# Altium PCB CarrierPCBDesign.PcbDoc
Units mm, origin at the board's own origin, x right, y up, seen from the top; angles counter-clockwise.
Board outline 100 x 100 mm, 4 copper layers (L1 (Sig), L2 (GND), L3 (GND), L4 (Sig)), stack 1.564 mm thick; 76 components, 192 nets, 527 pads, 244 vias.
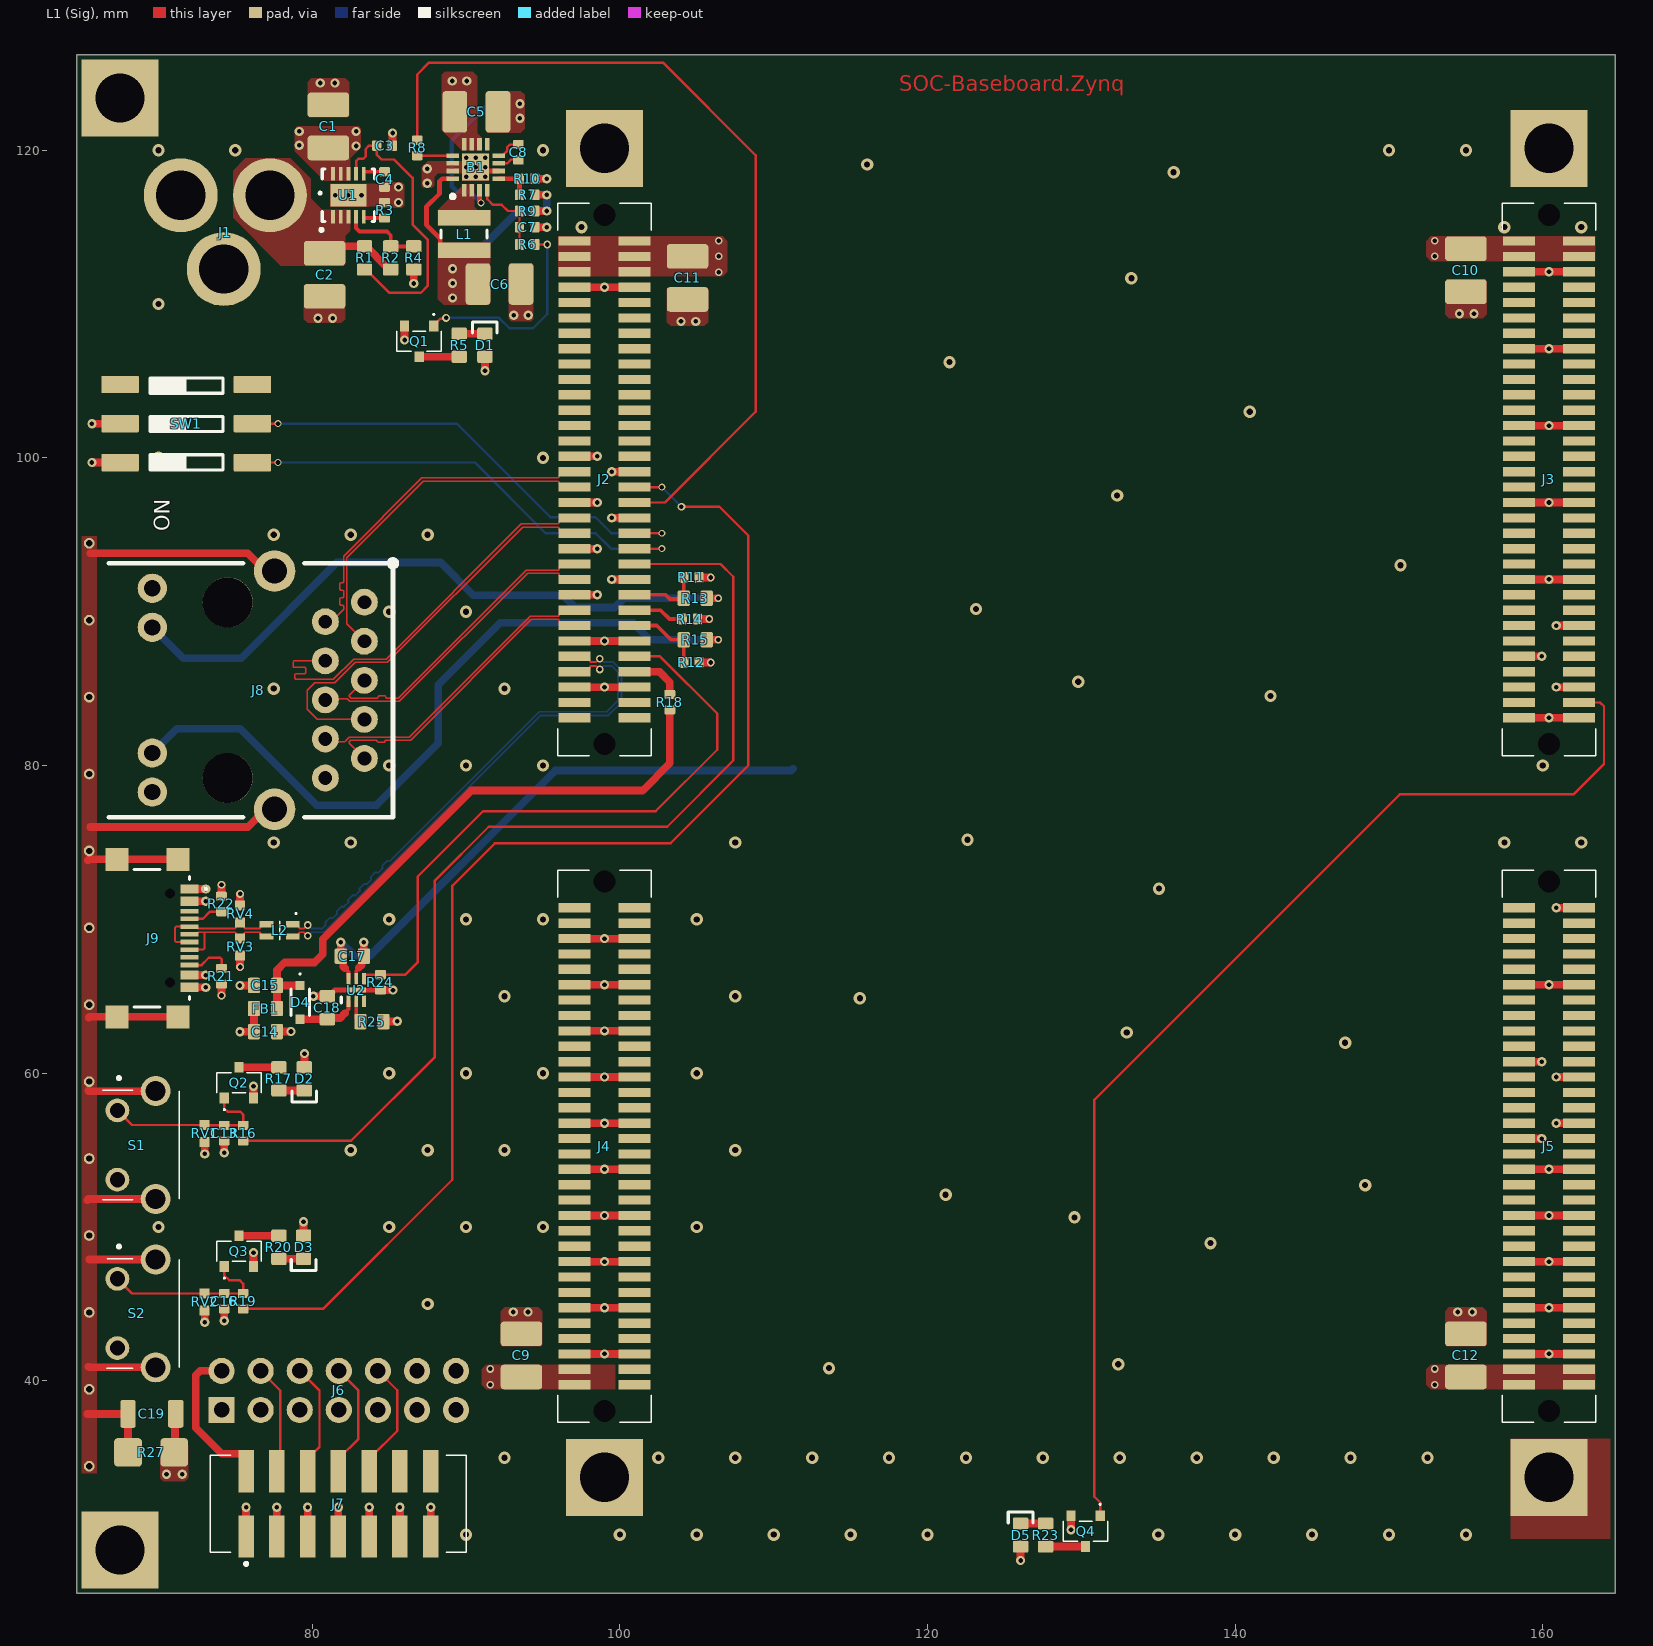
[diagram p0: L1 (Sig) view]
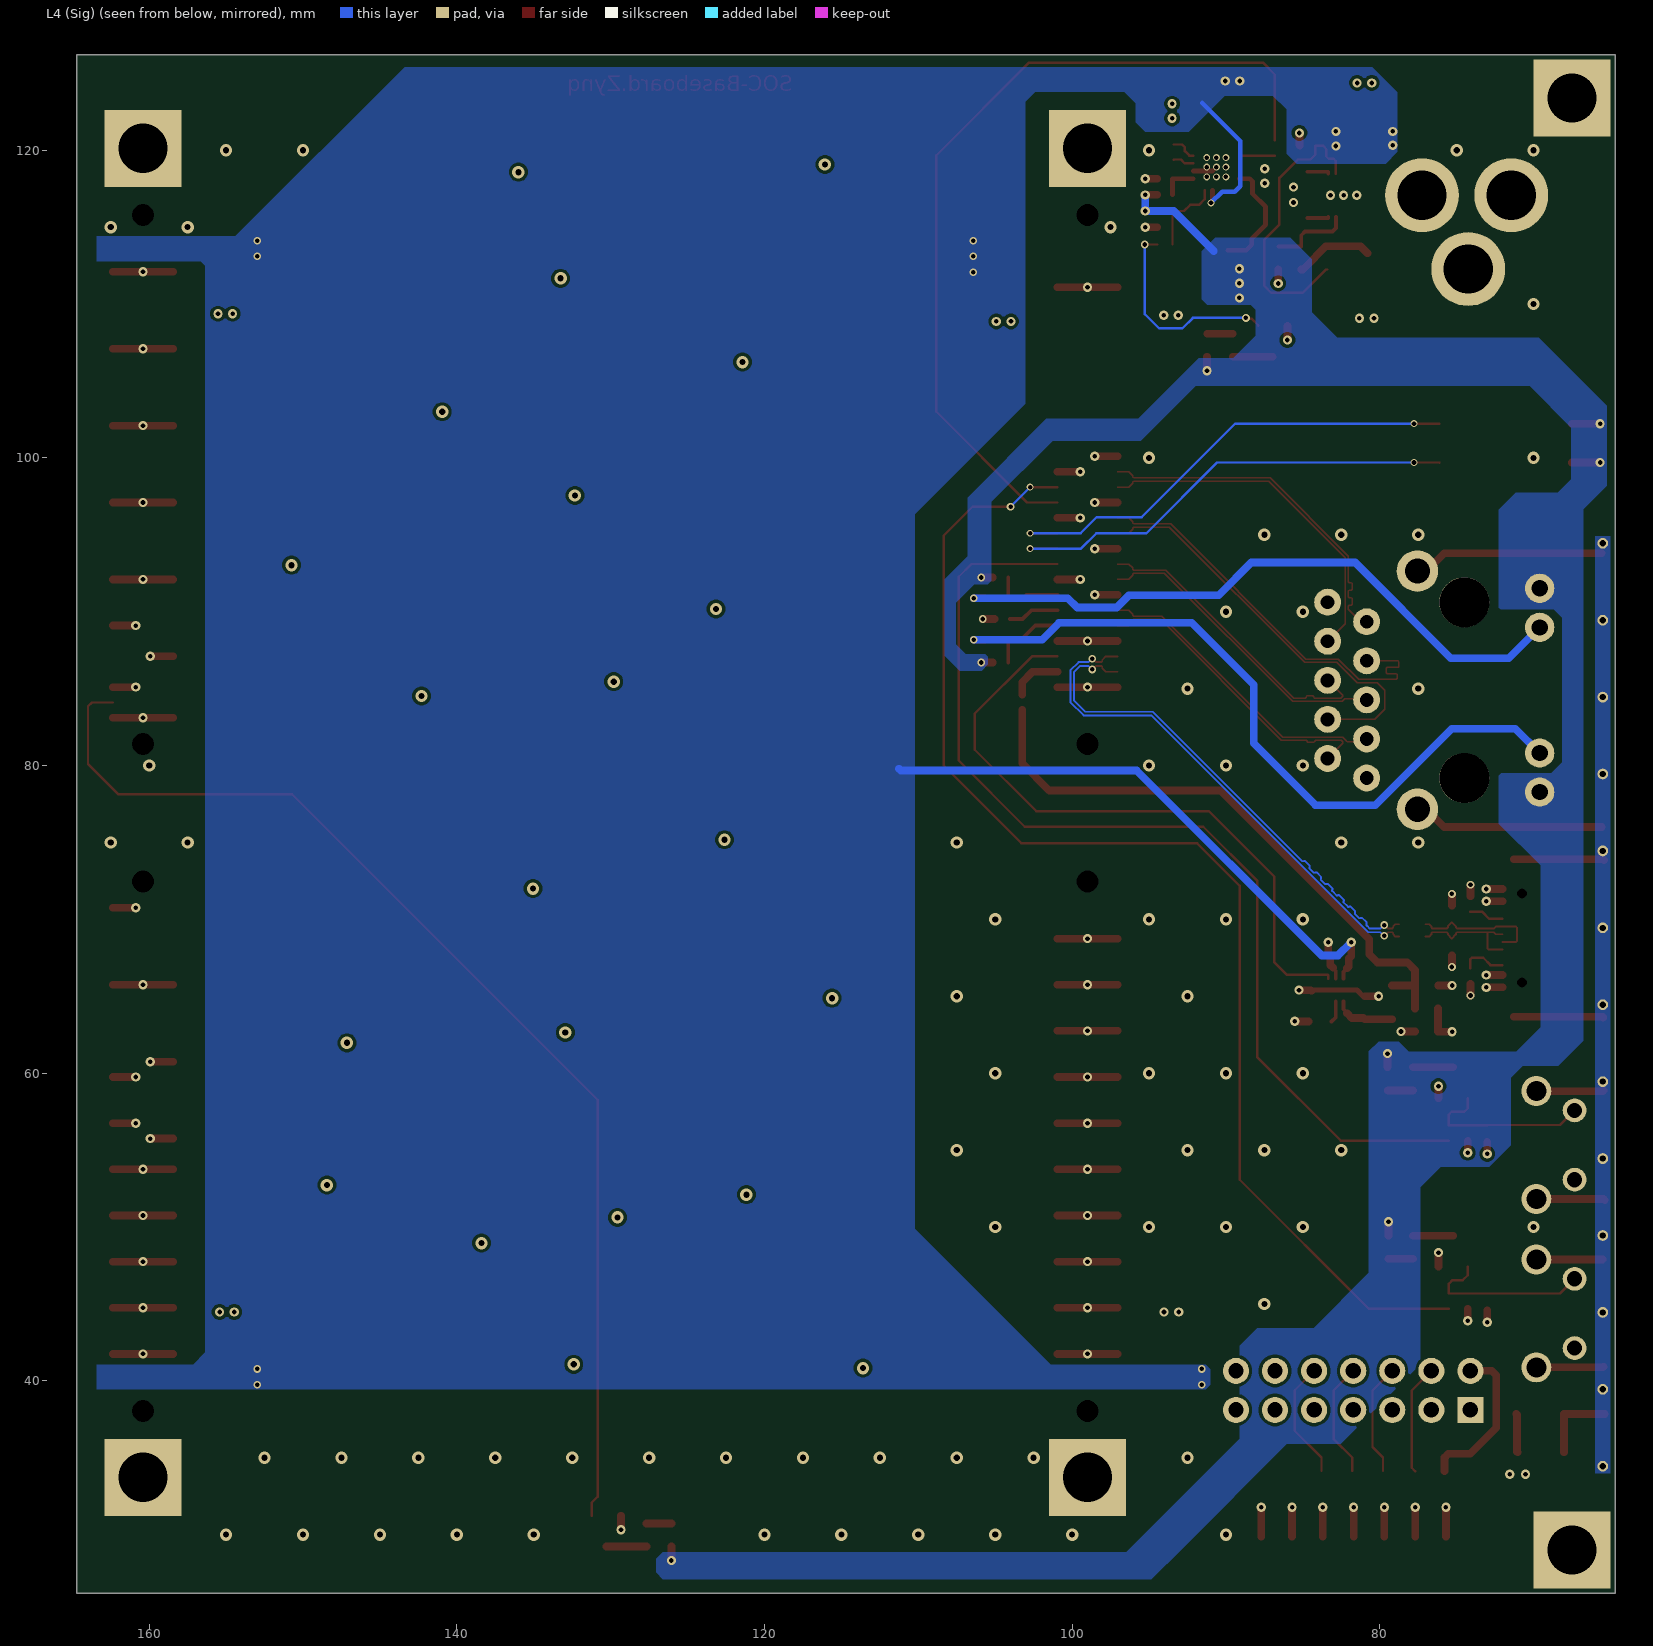
[diagram p1: L4 (Sig) view, seen from below]
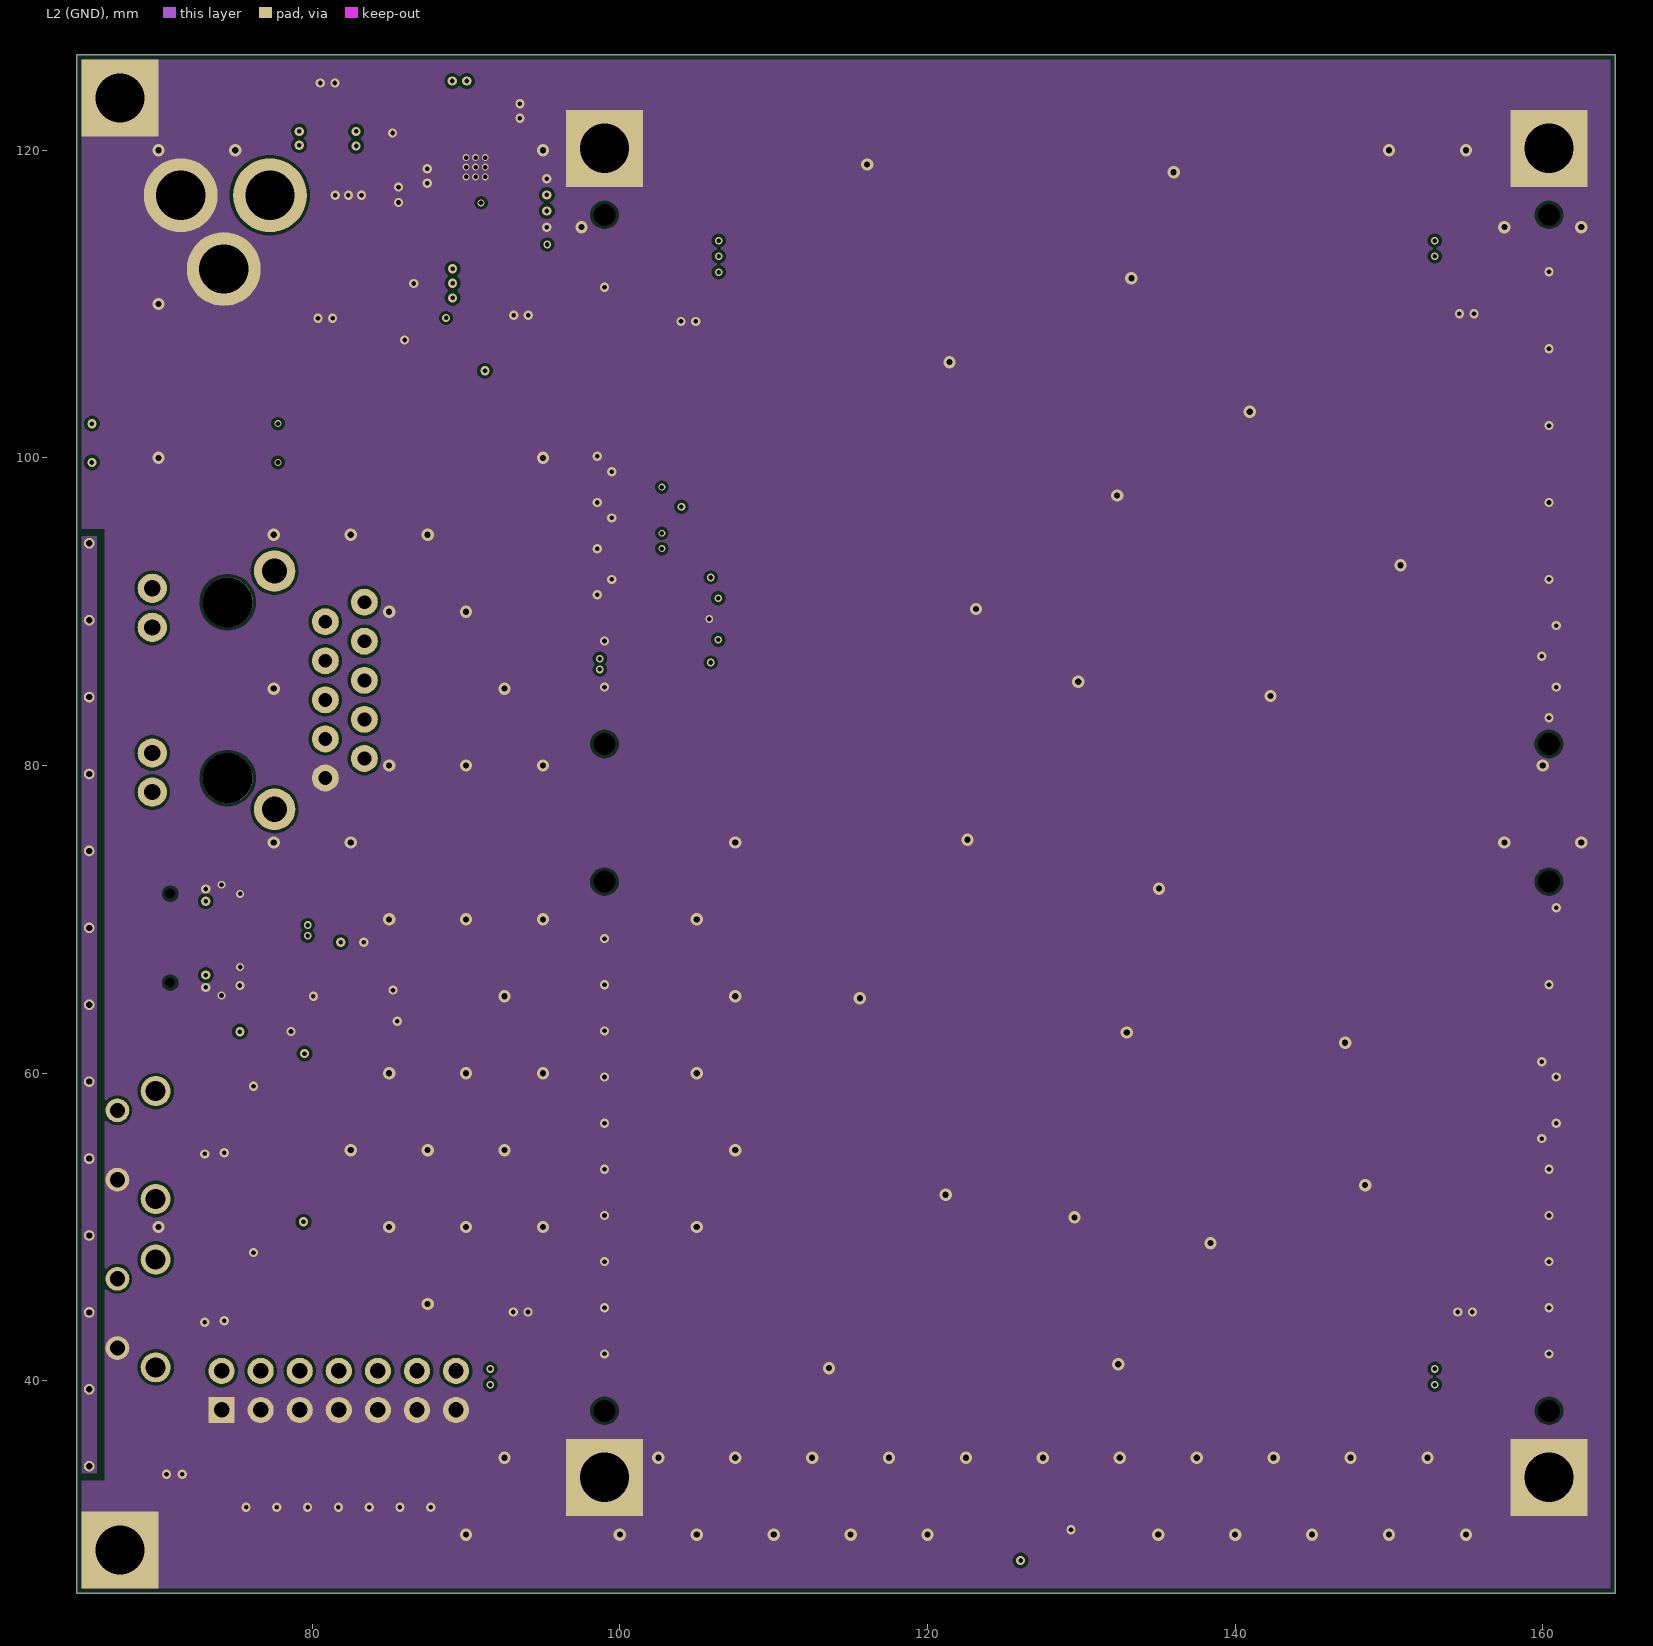
[diagram p2: L2 (GND)]
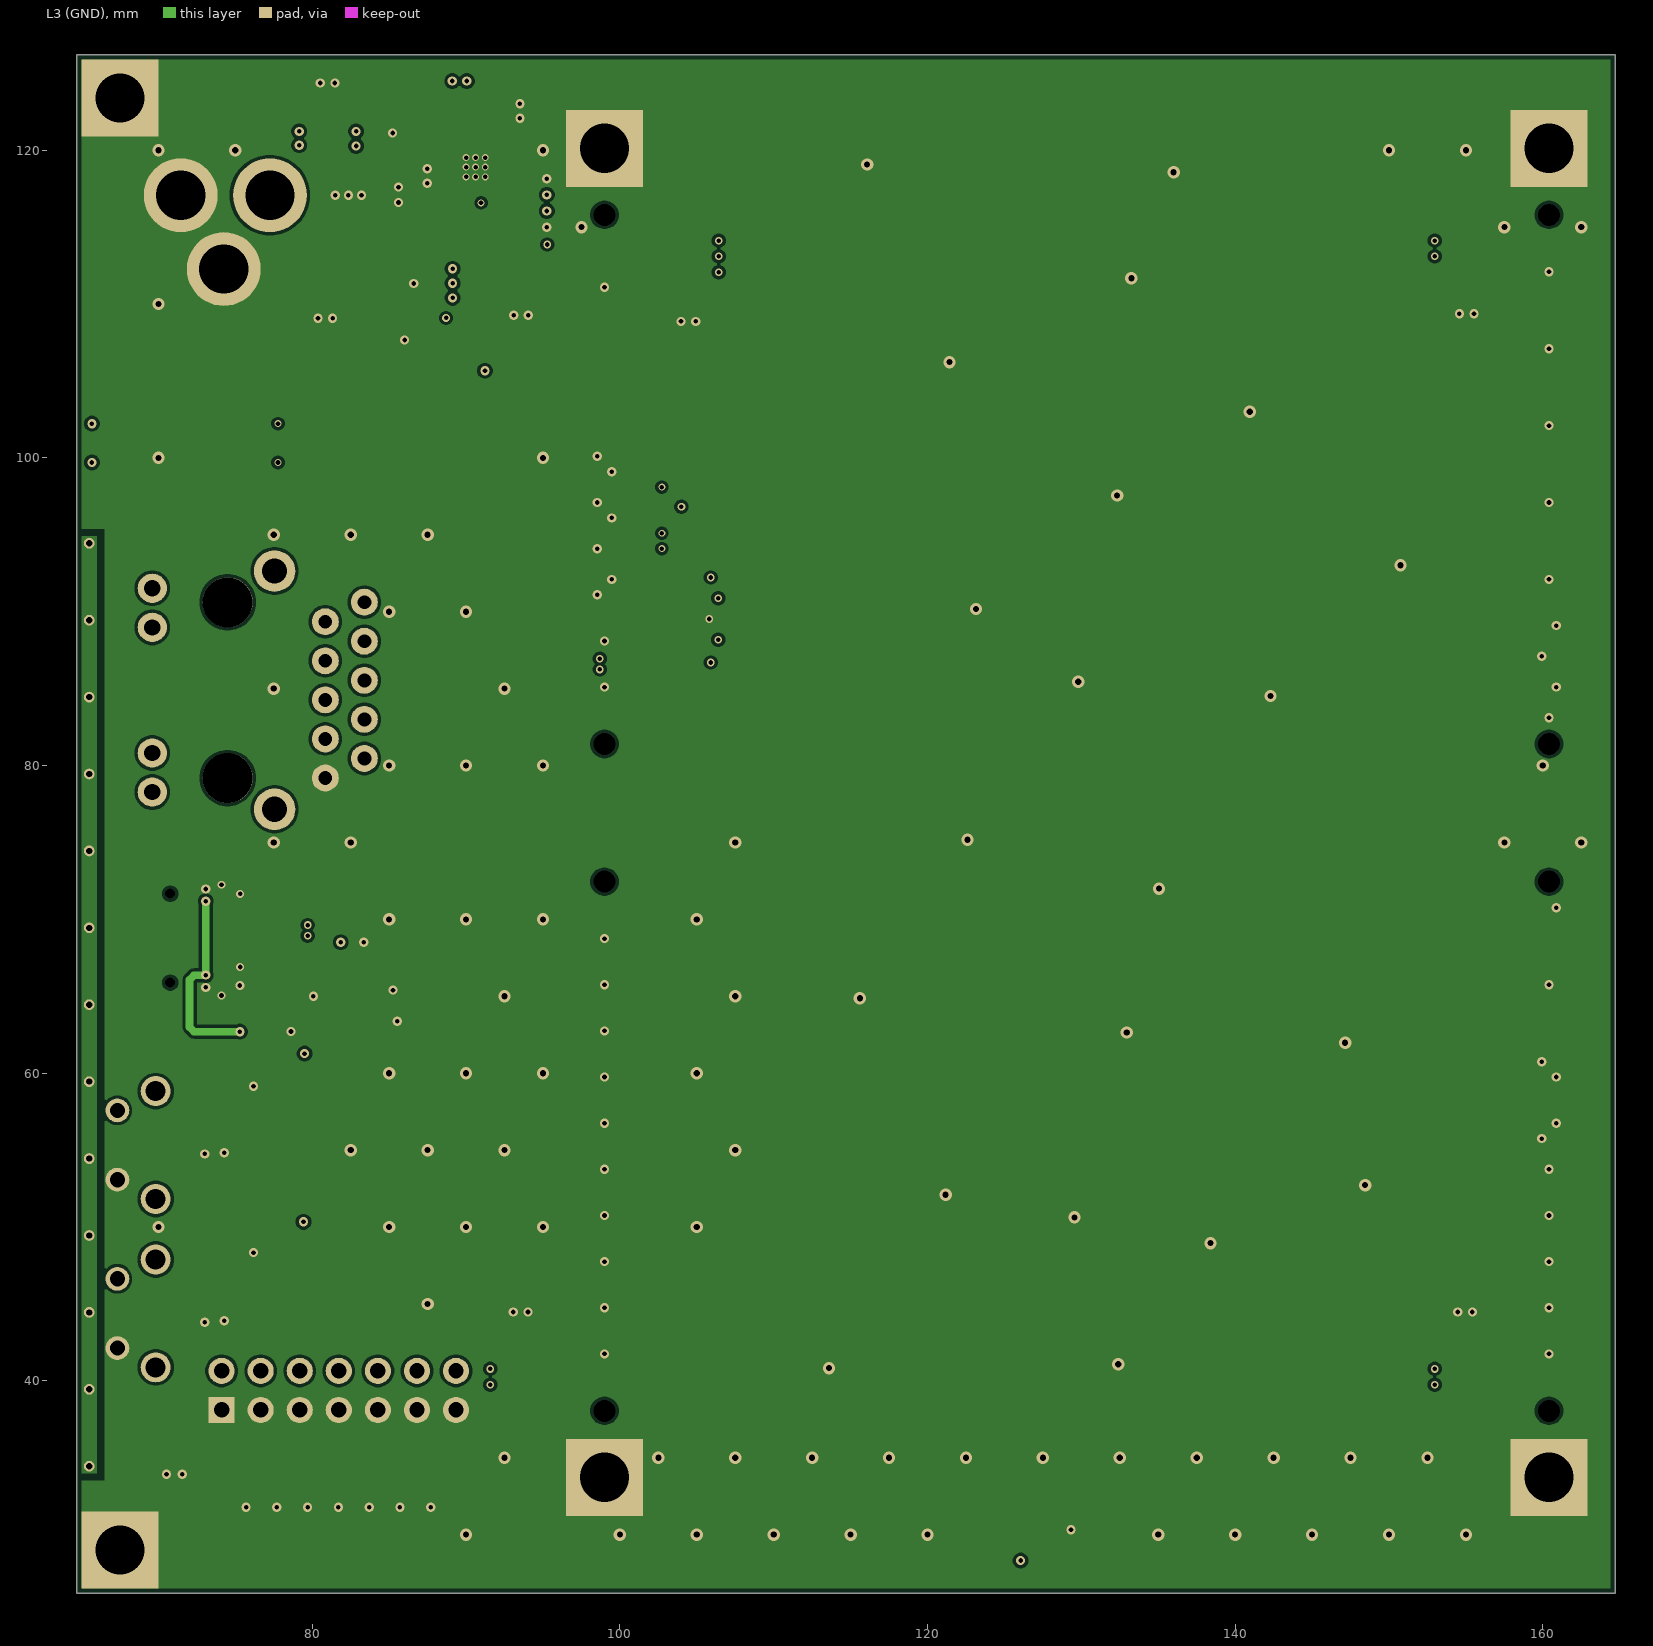
[diagram p3: L3 (GND)]
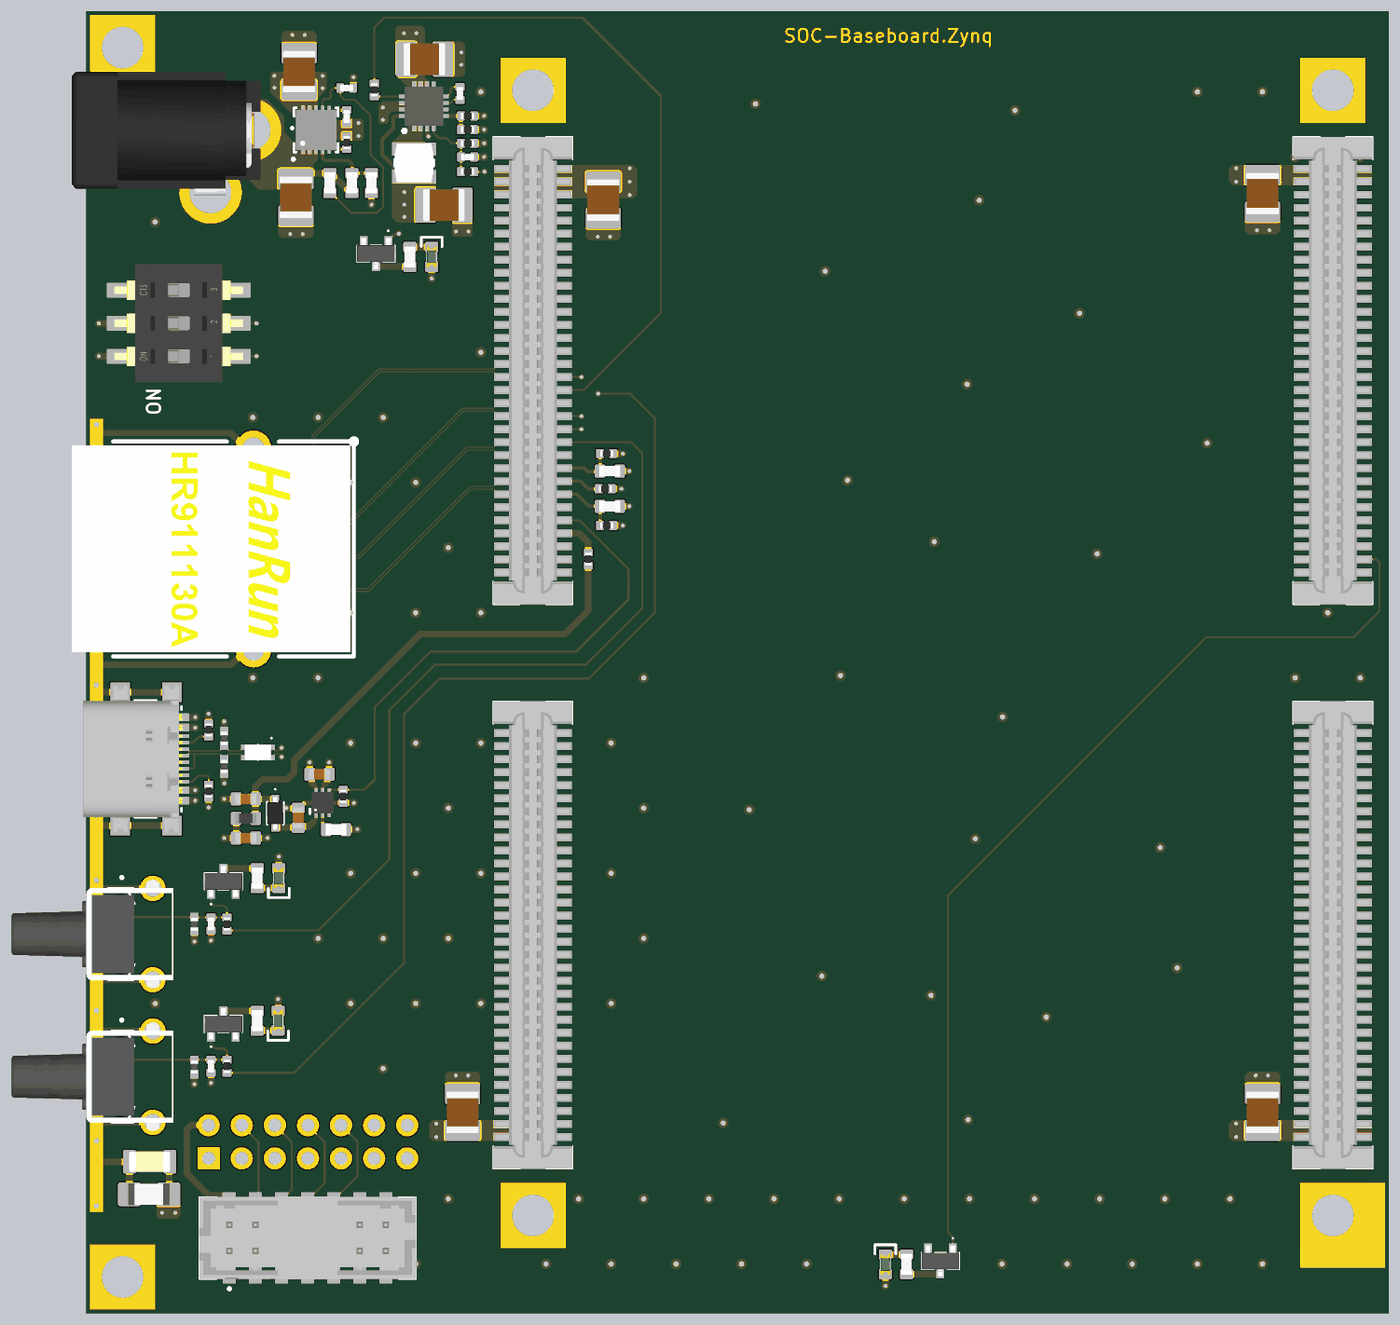
[diagram p4: 3D render of the assembled board from above, using the file's embedded part models]

## Layer stack, top to bottom
Top Solder: solder mask 0.0254, SM-001, Dk 3.8
L1 (Sig): signal copper 0.035
3313_1: prepreg 0.0994, PP-017, Dk 4.1
L2 (GND): signal copper 0.0152
Dielectric 3: core 1.265, Core-039, Dk 4.6
L3 (GND): signal copper 0.0152
3313_2: prepreg 0.0994, PP-017, Dk 4.1
L4 (Sig): signal copper 0.035
Bottom Solder: solder mask 0.0254, SM-001, Dk 3.8

## Board outline
64.7,26.2 64.7,126.2 164.7,126.2 164.7,26.2

## Design rules (kind name [scope] priority, off if disabled: settings)
Clearance [All] p1: gap=0.2 ignorepadtopadclearanceinfootprint=FALSE except(0.1: Arc-Arc Arc-Track Track-Track; 0.127: Arc-SMDPad Arc-Via Track-SMDPad Track-Via; 0.15: SMDPad-SMDPad)
ComponentClearance [All] p1: gap=0 collisioncheckmode=3 verticalgap=0 showdistances=FALSE
DiffPairsRouting [All] p1: maxlimit=0.254 minlimit=0.12 mostfreqgap=0.127 toplayer_maxgap=0.12 toplayer_prefgap=0.12 toplayer_minwidth=0.09 toplayer_maxwidth=0.09 toplayer_prefwidth=0.09 bottomlayer_maxgap=0.12 bottomlayer_prefgap=0.12 bottomlayer_minwidth=0.09 bottomlayer_maxwidth=0.09 bottomlayer_prefwidth=0.09 impedanceprofiledriven=TRUE impedanceprofileid={948A8899-CF33-47F9-8967-5853BC34163F} impedanceprofilevalue=100.000000 maxuncoupledlength=12.7
HoleSize [All] p1: absolutevalues=TRUE maxlimit=5 minlimit=0.3 maxpercent=80.000 minpercent=20.000
MinimumSolderMaskSliver [All] p1: minsoldermaskwidth=0.1
PolygonConnect [All] p1: connectstyle=Direct reliefconductorwidth=0.254 reliefentries=4 polygonreliefangle="90 Angle" airgapwidth=0.254
RoutingVias [All] p1: holewidth=0.3 width=0.45 viastyle="Through Hole" minholewidth=0.3 minwidth=0.45 maxholewidth=0.4 maxwidth=0.8
SilkToSolderMaskClearance [IsPad] p1: minsilkscreentomaskgap=0.15 clearancetoexposedcopper=TRUE
SolderMaskExpansion [All] p1: expansion=0.102 istentingtop=FALSE
SupplyNets "Schematic Supply Nets_8" [InNet('+3V3FPGA')] p1: voltage=0.000
SupplyNets "Schematic Supply Nets_7" [InNet('+5V0_USB_FILT')] p2: voltage=0.000
SupplyNets "Schematic Supply Nets_6" [InNet('+3V3')] p3: voltage=0.000
SupplyNets "Schematic Supply Nets_5" [InNet('PWR_JCK')] p4: voltage=0.000
SupplyNets "Schematic Supply Nets_4" [InNet('+5V0')] p5: voltage=0.000
SupplyNets "Schematic Supply Nets_3" [InNet('GND')] p6: voltage=0.000
SupplyNets "Schematic Supply Nets_2" [InNet('+5V0_USB')] p7: voltage=0.000
SupplyNets "Schematic Supply Nets_1" [InNet('CGND')] p8: voltage=0.000
SupplyNets "Schematic Supply Nets" [InNet('+5V0_USB_SW')] p9: voltage=0.000
Width [All] p1: maxlimit=0.5 minlimit=0.1 preferedwidth=0.156 minimp=50.000000 maximp=50.000000 favimp=50.000000
25 further rules are at their usual default settings.

## Classes and differential pairs
net class ETH_MDI: ETH_MDI0_N ETH_MDI0_P ETH_MDI1_N ETH_MDI1_P ETH_MDI2_N ETH_MDI2_P ETH_MDI3_N ETH_MDI3_P
net class USB_HS: USB_D_C_N USB_D_C_P USB_HS_D_N USB_HS_D_P
component class CarrierPeripherals: C13 C14 C15 C16 C17 C18 C19 D2 D3 D4 D5 FB1 J6 J7 J8 J9 L2 Q2 Q3 Q4 R11 R12 R13 R14 R15 R16 R17 R18 R19 R20 R21 R22 R23 R24 R25 R27 RV1 RV2 RV3 RV4 S1 S2 SW1 U2
component class CarrierMezzanineConnectors: C9 C10 C11 C12 J2 J3 J4 J5
component class CarrierBoardPPower: B1 C1 C2 C3 C4 C5 C6 C7 C8 D1 J1 L1 Q1 R1 R2 R3 R4 R5 R6 R7 R8 R9 R10 U1
differential pair USB_HS_D: +USB_HS_D_P -USB_HS_D_N
differential pair USB_D_C: +USB_D_C_P -USB_D_C_N
differential pair ETH_MDI3: +ETH_MDI3_P -ETH_MDI3_N
differential pair ETH_MDI2: +ETH_MDI2_P -ETH_MDI2_N
differential pair ETH_MDI1: +ETH_MDI1_P -ETH_MDI1_N
differential pair ETH_MDI0: +ETH_MDI0_P -ETH_MDI0_N

## Components (designator, comment, footprint, x,y, rotation, side; value= is the part's Value field where it differs from the comment)
B1 "TLV62095RGTR" QFN50P300X300X100-17N-D 90.625,118.9 r90 top
C1 "47u" CAP_1210 81.05,121.55 r270 top
C2 "47u" CAP_1210 80.8,111.9 r90 top
C3 "100n" CAP_0402 84.7,120.3 r180 top
C4 "100n" CAP_0402 84.7,118.1 r90 top
C5 "47u" CAP_1210 90.675,122.5 r180 top
C6 "47u" CAP_1210 92.175,111.3 r180 top
C7 "100n" CAP_0402 93.975,115 r180 top
C8 "10p" CAP_0402 93.4,119.875 r270 top
C9 "47u" CAP_1210 93.6,41.65 r270 top
C10 "47u" CAP_1210 155,112.2 r90 top
C11 "47u" CAP_1210 104.4,111.7 r90 top
C12 "47u" CAP_1210 155,41.65 r270 top
C13 "100n" CAP_0402 74.285,56.105 r90 top
C14 "10u" CAP_0603 76.96,62.705 r180 top
C15 "10u" CAP_0603 76.96,65.705 r0 top
C16 "100n" CAP_0402 74.285,45.18 r90 top
C17 "10u" CAP_0603 82.61,67.605 r180 top
C18 "10u" CAP_0603 80.985,64.255 r270 top
C19 "1n" CAP_1206 69.575,37.85 r180 top
D1 "GREEN" LED_0603_GREEN 91.225,107.325 r270 top
D2 "GREEN" LED_0603_GREEN 79.485,59.63 r90 top
D3 "GREEN" LED_0603_GREEN 79.435,48.68 r90 top
D4 "PMEG1030EJ,115" PMEG1030EJ115 79.21,64.605 r270 top
D5 "GREEN" LED_0603_GREEN 126.05,29.975 r270 top
FB1 "120R @ 100 MHz" FB_0603 76.96,64.205 r0 top
J1 "694106301002" 694106301002_1 63.65,113.275 r0 top locked
J2 "71439-0164" 714390164 99,98.6 r90 top
J3 "71439-0164" 714390164 160.4,98.6 r90 top
J4 "71439-0164" 714390164 99,55.25 r90 top
J5 "71439-0164" 714390164 160.4,55.25 r90 top
J6 "JTAG-14Pin-TH" 14Pin-TH 90.123,33.708 r90 top
J7 "87832-1416" 878321416 81.7,32 r0 top
J8 "HR911130A" HR911130A 74.5,84.9 r90 top
J9 "GSB1C41110SSHR" GSB1C41110SSHR 68.635,68.78 r270 top
L1 "VLS3012HBX-1R0M" VLS3012 89.875,114.55 r270 top
L2 "DLW21SN900SQ2L" DLW21SN121HQ2L 77.885,69.28 r180 top
Q1 "T2N7002AK,LM" TBAT54CLM 86.95,107.575 r180 top
Q2 "T2N7002AK,LM" TBAT54CLM 75.235,59.38 r0 top
Q3 "T2N7002AK,LM" TBAT54CLM 75.235,48.43 r0 top
Q4 "T2N7002AK,LM" TBAT54CLM 130.275,30.225 r180 top
R1 "100k" RES_0603 83.4,113 r90 top
R2 "DNP" RES_0603 85.1,113 r270 top
R3 "2k1" RES_0402 84.7,116.1 r270 top
R4 "DNP" RES_0603 86.6,113 r90 top
R5 "R0603" RES_0603 89.55,107.325 r90 top
R6 "0R" RES_0402 93.975,113.875 r180 top
R7 "500k" RES_0402 93.975,117.1 r0 top
R8 "0R" RES_0402 86.825,120.15 r90 top
R9 "500k" RES_0402 93.975,116.05 r0 top
R10 "160k" RES_0402 93.975,118.15 r180 top
R11 "4k7" RES_0402 104.65,92.225 r0 top
R12 "4k7" RES_0402 104.65,86.7 r0 top
R13 "510R" RES_0603 104.9,90.875 r0 top
R14 "4k7" RES_0402 104.55,89.525 r180 top
R15 "510R" RES_0603 104.9,88.175 r180 top
R16 "22R" RES_0402 75.51,56.105 r270 top
R17 "R0603" RES_0603 77.835,59.63 r270 top
R18 "10k" RES_0402 103.25,84.125 r90 top
R19 "22R" RES_0402 75.51,45.18 r270 top
R20 "R0603" RES_0603 77.835,48.68 r270 top
R21 "5k1" RES_0402 74.1,66.3 r90 top
R22 "5k1" RES_0402 74.1,71 r270 top
R23 "R0603" RES_0603 127.675,29.975 r90 top
R24 "4k7" RES_0402 84.435,65.905 r90 top
R25 "510R" RES_0603 83.885,63.355 r180 top
R27 "1Meg" RES_1206 69.525,35.35 r180 top
RV1 "CG0402MLU-3.3G" VARC1005X41N 73.01,56.08 r90 top
RV2 "CG0402MLU-3.3G" VARC1005X41N 73.01,45.13 r90 top
RV3 "CG0402MLU-3.3G" VARC1005X41N 75.31,68.205 r90 top
RV4 "CG0402MLU-3.3G" VARC1005X41N 75.31,70.355 r270 top
S1 "FSMRA4JH04" FSMRA4JH04 67.335,57.58 r270 top
S2 "FSMRA4JH04" FSMRA4JH04 67.335,46.63 r270 top
SW1 "219-3LPST" 219-3LPST 71.81,102.23 r90 top
U1 "LS1205EVD33" DFN3x3_10L 82.35,117.075 r90 top
U2 "MIC2099-1YMT-TR" TMLF-6-1_6X1_6 82.86,65.405 r90 top
